# Altium PCB PCB.PcbDoc
Units mil, origin at the board's own origin, x right, y up, seen from the top; angles counter-clockwise.
Board outline 3937.01 x 2755.91 mil, 2 copper layers (Top Layer, Bottom Layer); 72 components, 42 nets, 272 pads, 25 vias.
Unrouted connection lines stored in the file: 5.
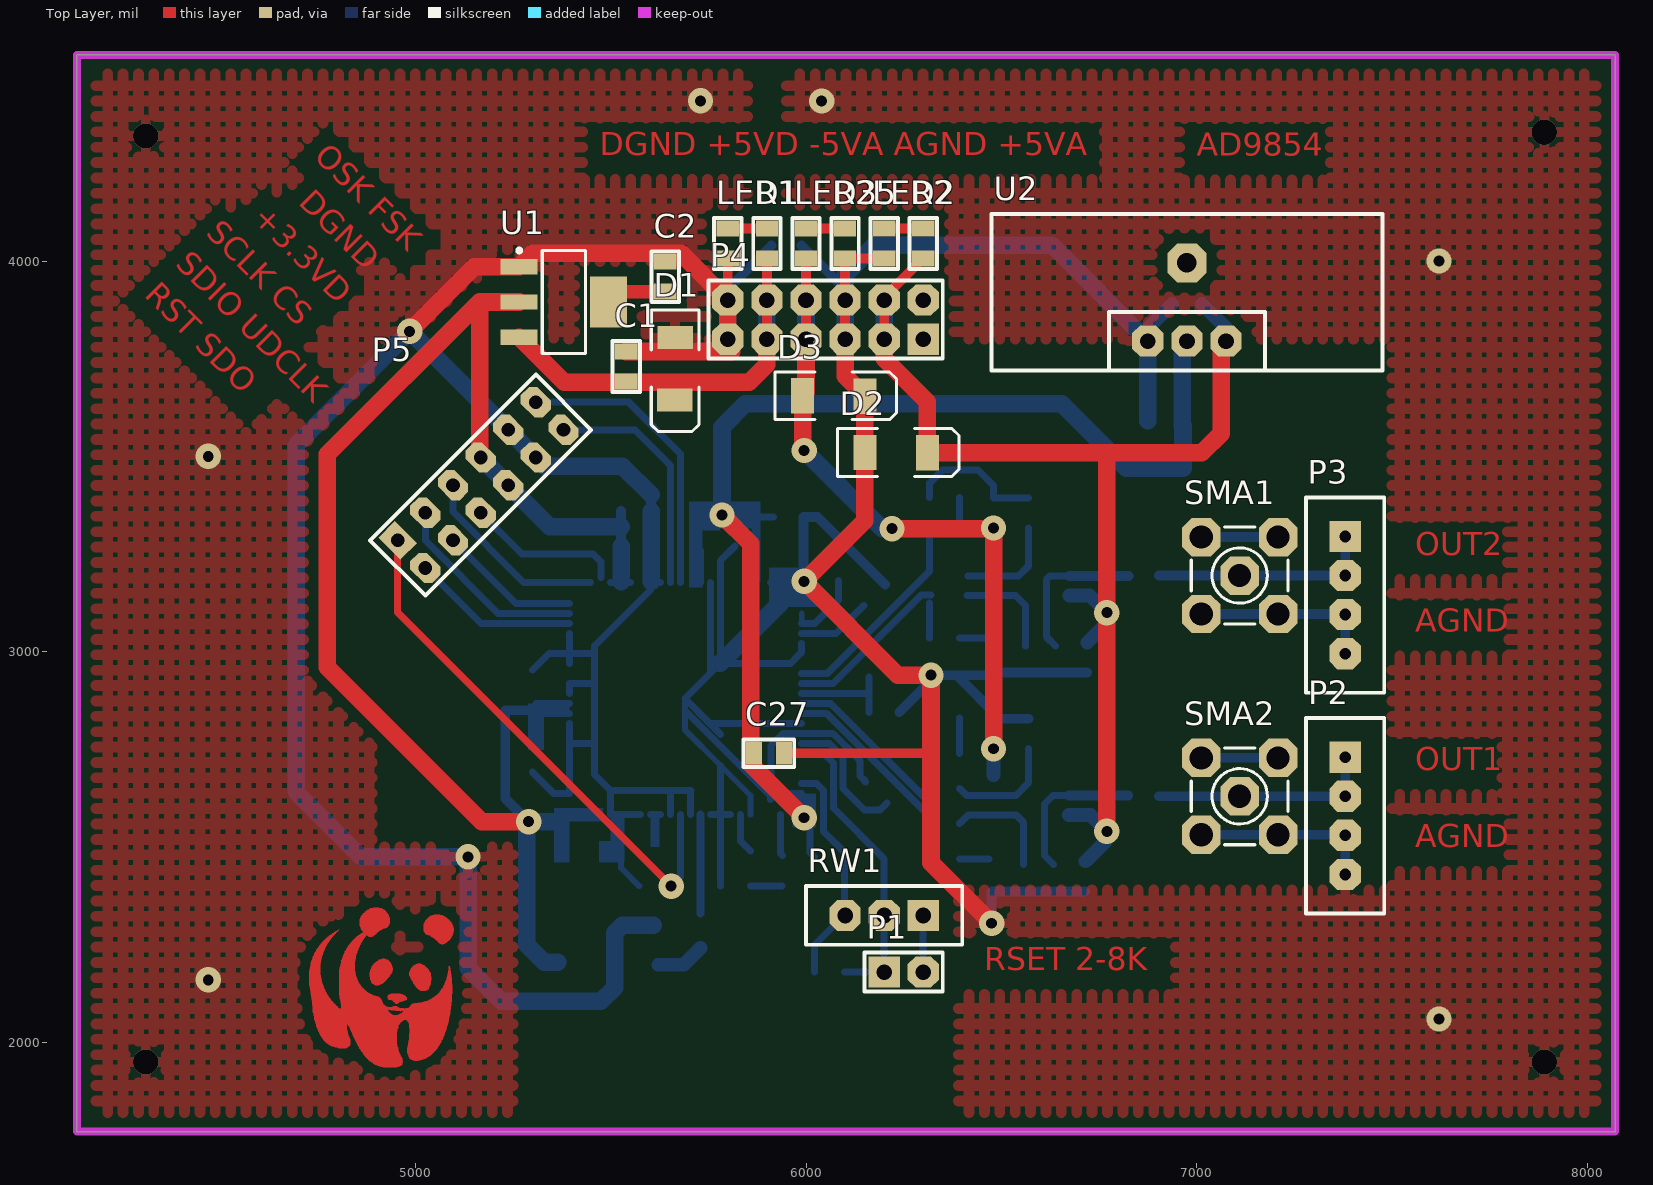
[diagram p0: Top Layer view]
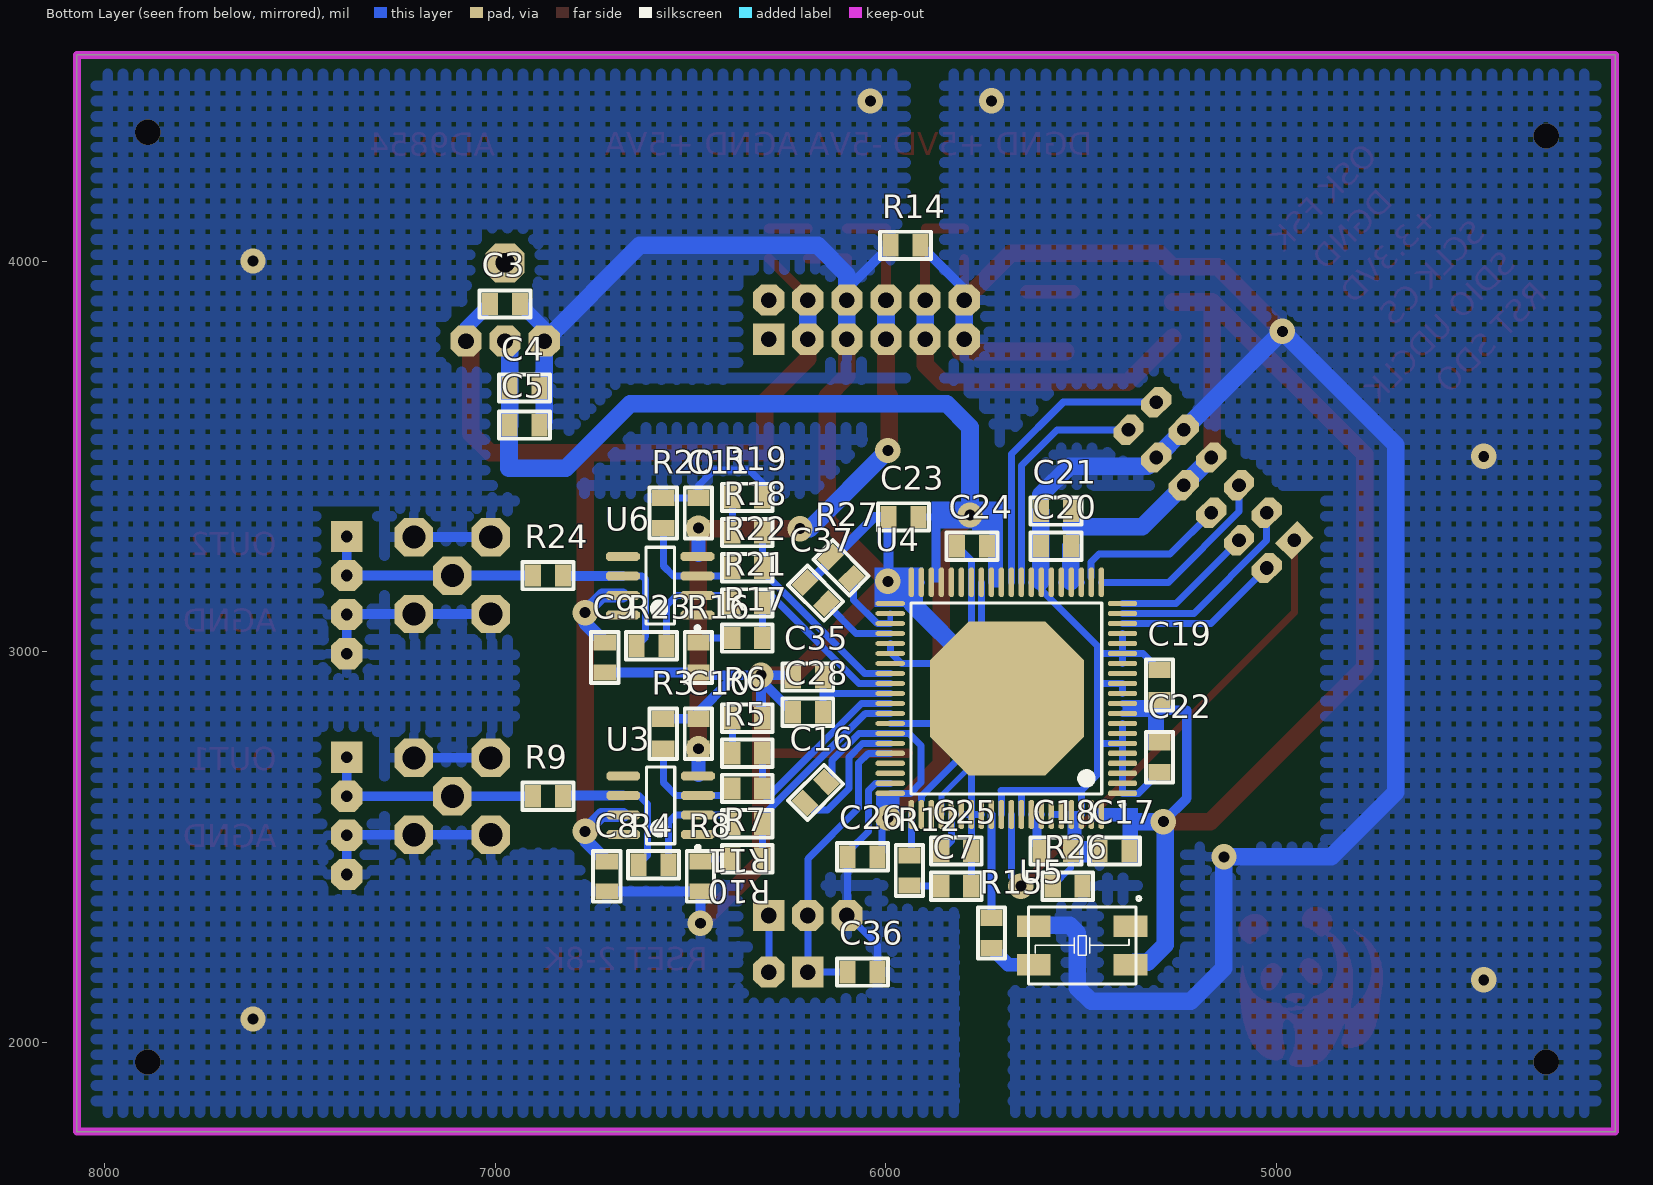
[diagram p1: Bottom Layer view, seen from below]

## Layer stack, top to bottom
Top Layer: signal copper 1.4
Dielectric: dielectric 12.6, FR-4, Dk 4.8
Bottom Layer: signal copper 1.4

## Board outline
4133.86,4527.56 8070.87,4527.56 8070.87,1771.65 4133.86,1771.65 4133.86,4527.56

## Design rules (kind name [scope] priority, off if disabled: settings)
Clearance [All] p1: gap=5
PolygonConnect [All] p1: connectstyle=Relief reliefconductorwidth=10 reliefentries=4 polygonreliefangle="90 Angle" airgapwidth=10
RoutingVias [All] p1: holewidth=28 width=50 viastyle="Through Hole" minholewidth=28 minwidth=50 maxholewidth=28 maxwidth=50
SilkscreenOverComponentPads [All] p1: minsilkscreentomaskgap=10
SolderMaskExpansion [All] p1: expansion=4
Width [All] p1: maxlimit=45 minlimit=15 preferedwidth=25 minimp=50.000000 maximp=50.000000 favimp=50.000000
27 further rules are at their usual default settings.

## Components (designator, comment, footprint, x,y, rotation, side; value= is the part's Value field where it differs from the comment)
C1 "C" 0805 5540,3730 r90 top
C2 "C" 0805 5640,3960 r270 top
C3 "C" 0805 6975,3890 r0 bottom
C4 "C" 0805 6925,3675 r0 bottom
C5 "C" 0805 6925,3580 r0 bottom
C7 "C" 0805 5820,2400 r180 bottom
C8 "C" 0805 6715,2425 r90 bottom
C9 "C" 0805 6720,2985 r90 bottom
C10 "C" 0805 6480,2790 r270 bottom
C11 "C" 0805 6480,3355 r270 bottom
C16 "0.01u" 0805 6180,2640 r315 bottom
C17 "0.1u" 0805 5415,2490 r180 bottom
C18 "0.1u" 0805 5565,2490 r0 bottom
C19 "0.1u" 0805 5300,2915 r270 bottom
C20 "0.1u" 0805 5565,3270 r180 bottom
C21 "0.1u" 0805 5565,3360 r180 bottom
C22 "0.1u" 0805 5300,2730 r90 bottom
C23 "0.1u" 0805 5955,3345 r180 bottom
C24 "0.1u" 0805 5780,3270 r180 bottom
C25 "0.1u" 0805 5820,2490 r0 bottom
C26 "0.1u" 0805 6060,2475 r180 bottom
C27 "0.1u" 0805 5905,2740 r180 top
C28 "0.1u" 0805 6200,2845 r180 bottom
C35 "C" 0805 6200,2935 r180 bottom
C36 "C" 0805 6060,2180 r180 bottom
C37 "C" 0805 6180,3150 r225 bottom
D1 "Diode 1N4007" 二极管SMB 5665,3725 r270 top
D2 "Diode 1N4007" 二极管SMB 6230,3510 r0 top
D3 "Diode 1N4007" 二极管SMB 6070,3655 r0 top
LED1 "LED" 0805 5800,4045 r270 top
LED2 "LED" 0805 6200,4045 r270 top
LED3 "LED" 0805 6000,4045 r270 top
P1 "Pin 2" "Pin 2" 6200,2180 r0 top
P2 "pin 4" "pin 4" 7380,2630 r0 top
P3 "pin 4" "pin 4" 7380,3195 r0 top
P4 "Pin 6X2" "Pin 6X2"#1 6300,3800 r180 top
P5 "Pin 6X2" "Pin 6X2"#2 4955,3285 r45 top
R1 "R" 0805 5900,4045 r270 top
R2 "R" 0805 6300,4045 r270 top
R3 "R" 0805 6570,2790 r270 bottom
R4 "R" 0805 6595,2455 r0 bottom
R5 "R" 0805 6355,2740 r180 bottom
R6 "R" 0805 6355,2830 r0 bottom
R7 "R" 0805 6355,2470 r180 bottom
R8 "R" 0805 6475,2425 r90 bottom
R9 "R" 0805 6865,2630 r0 bottom
R10 "R" 0805 6355,2560 r0 bottom
R11 "R" 0805 6355,2650 r0 bottom
R12 "1K3" 0805 5940,2440 r270 bottom
R14 "0" 0805 5950,4040 r0 bottom
R15 "R" 0805 5730,2280 r270 bottom
R16 "R" 0805 6480,2985 r90 bottom
R17 "R" 0805 6355,3035 r180 bottom
R18 "R" 0805 6355,3305 r180 bottom
R19 "R" 0805 6355,3395 r0 bottom
R20 "R" 0805 6570,3355 r270 bottom
R21 "R" 0805 6355,3125 r0 bottom
R22 "R" 0805 6355,3215 r0 bottom
R23 "R" 0805 6600,3015 r0 bottom
R24 "R" 0805 6865,3195 r0 bottom
R25 "R" 0805 6100,4045 r270 top
R26 "0" 0805 5535,2400 r180 bottom
R27 "R" 0805 6115,3215 r45 bottom
RW1 "R" 电位器 6300,2325 r180 top
SMA1 "COAX-M" SMB_V-RJ45 7110,3195 r180 top
SMA2 "COAX-M" SMB_V-RJ45 7110,2630 r180 top
U1 "AMS1117" AMS1117 5380,3895 r0 top
U2 "LM1117-3.3" LM78** 6875,3795 r0 top
U3 "OPA690" SOP-8 6577,2607 r0 bottom
U4 "AD9854" "LPQF 80 9854" 5691.81,2880.39 r0 bottom
U5 "有源晶振5032" 7050晶振 5495,2250 r0 bottom
U6 "OPA690" SOP-8 6578,3169 r0 bottom

## Footprints (in the part's own frame and the unit in brackets; to place one, negate y for a bottom-side part, rotate by r counter-clockwise, add the part's x,y. Pads: shape width x height; smd on the part's side, far side on the other; paste and mask are expansions set on the pad)
0805 [mm]
  rect 1.05x1.45 smd: 1(-0.975,0) 2(0.975,0)
  silkscreen extent -1.65,-0.89 1.65,0.89
7050晶振 [mm]
  rect 2.2x1.4 smd: 1(-3.074,-1.21) 2(3.226,-1.21) 3(3.226,1.29) 4(-3.074,1.29)
  silkscreen extent -3.73,-3.13 3.58,2.54, body extent -3.5,-2.5 3.5,2.5, height 1.31
AMS1117 [mm]
  rect 2.4x1 smd: 1(-2.9,2.3) 2(-2.9,0) 3(-2.9,-2.3)
  rect 2.4x3.3 smd: 2(2.9,0)
  silkscreen extent -3.02,-3.35 1.4,3.47, body extent -1.85,-3.35 1.85,3.35, height 1.7
LM78** [mil]
  oct 80x80 hole 40: 1(0,0) 2(100,0) 3(200,0)
  oct 100x100 hole 50: ""(100,200)
  silkscreen extent -400,-75 600,325
"LPQF 80 9854" [mm]
  oct 1.9x0.35 smd: 1(-7.55,6.175) 2(-7.55,5.525) 3(-7.55,4.875) 4(-7.55,4.225) 5(-7.55,3.575) 6(-7.55,2.925) 7(-7.55,2.275) 8(-7.55,1.625) 9(-7.55,0.975) 10(-7.55,0.325) 11(-7.55,-0.325) 12(-7.55,-0.975) 13(-7.55,-1.625) 14(-7.55,-2.275) 15(-7.55,-2.925) 16(-7.55,-3.575) 17(-7.55,-4.225) 18(-7.55,-4.875) 19(-7.55,-5.525) 20(-7.55,-6.175) 41(7.55,-6.175) 42(7.55,-5.525) 43(7.55,-4.875) 44(7.55,-4.225) 45(7.55,-3.575) 46(7.55,-2.925) 47(7.55,-2.275) 48(7.55,-1.625) 49(7.55,-0.975) 50(7.55,-0.325) 51(7.55,0.325) 52(7.55,0.975) 53(7.55,1.625) 54(7.55,2.275) 55(7.55,2.925) 56(7.55,3.575) 57(7.55,4.225) 58(7.55,4.875) 59(7.55,5.525) 60(7.55,6.175)
  oct 0.35x1.9 smd: 21(-6.175,-7.55) 22(-5.525,-7.55) 23(-4.875,-7.55) 24(-4.225,-7.55) 25(-3.575,-7.55) 26(-2.925,-7.55) 27(-2.275,-7.55) 28(-1.625,-7.55) 29(-0.975,-7.55) 30(-0.325,-7.55) 31(0.325,-7.55) 32(0.975,-7.55) 33(1.625,-7.55) 34(2.275,-7.55) 35(2.925,-7.55) 36(3.575,-7.55) 37(4.225,-7.55) 38(4.875,-7.55) 39(5.525,-7.55) 40(6.175,-7.55) 61(6.175,7.55) 62(5.525,7.55) 63(4.875,7.55) 64(4.225,7.55) 65(3.575,7.55) 66(2.925,7.55) 67(2.275,7.55) 68(1.625,7.55) 69(0.975,7.55) 70(0.325,7.55) 71(-0.325,7.55) 72(-0.975,7.55) 73(-1.625,7.55) 74(-2.275,7.55) 75(-2.925,7.55) 76(-3.575,7.55) 77(-4.225,7.55) 78(-4.875,7.55) 79(-5.525,7.55) 80(-6.175,7.55)
  silkscreen extent -7.67,-6.2 6.2,7.02, body extent -7,-7 7,7, height 1.05
"Pin 2" [mil]
  rect 80x80 hole 40: 1(0,0)
  oct 80x80 hole 40: 2(100,0)
  silkscreen extent -50,-50 150,50
"pin 4" [mil]
  rect 80x80 hole 30: 1(0,100)
  oct 80x80 hole 30: 2(0,0) 3(0,-100) 4(0,-200)
  silkscreen extent -100,-300 100,200
"Pin 6X2"#1 [mil]
  rect 80x80 hole 40: 1(0,0)
  oct 80x80 hole 40: 2(100,0) 3(200,0) 4(300,0) 5(400,0) 6(500,0) 7(500,-100) 8(400,-100) 9(300,-100) 10(200,-100) 11(100,-100) 12(0,-100)
  silkscreen extent -50,-150 550,50
"Pin 6X2"#2 [mil]
  rect 60x80 hole 35: 1(0,0)
  oct 60x80 hole 35: 2(100,0) 3(200,0) 4(300,0) 5(400,0) 6(500,0) 7(500,-100) 8(400,-100) 9(300,-100) 10(200,-100) 11(100,-100) 12(0,-100)
  silkscreen extent -50,-150 550,50
SMB_V-RJ45 [mm] "Connecto"
  oct 2.5x2.5 hole 1.5: 1(0,0) 2(-2.5,2.5) 2(-2.5,-2.5) 2(2.5,2.5) 2(2.5,-2.5)
  silkscreen extent -3.15,-3.15 3.15,3.15
SOP-8 [mm]
  oct 2.2x0.6 smd: 1(-2.425,1.905) 2(-2.425,0.635) 3(-2.425,-0.635) 4(-2.425,-1.905) 5(2.425,-1.905) 6(2.425,-0.635) 7(2.425,0.635) 8(2.425,1.905)
  silkscreen extent -2.55,-2.5 0.93,2.88, body extent -2,-2.5 2,2.5, height 1.75
二极管SMB [mm]
  rect 1.5x2.3 smd: 1(-2,0) 2(2.05,-0.025)
  silkscreen extent -3.8,-1.55 4.1,1.55
电位器 [mil]
  rect 80x80 hole 40: 1(0,0)
  oct 80x80 hole 40: 2(100,0) 3(200,0)
  silkscreen extent -100,-75 300,75

## Part data
C16 C17 C18 C19 C20 C21 C22 C23 C24 C25 C26 C27 C28: library part C_0805
D1 D2 D3: "1 Amp Gener"
R12 R14 R26: library part R_0805
SMA1 SMA2: "RF Coaxial PCB Connector, MMCX; Thru-Hole, Vertical Mount Plug,  50 Ohm Impedance"

## Free pads (board coordinates)
  oct 393.7x393.7 smd far side: 0(5690,2880)

## Via types
v1: diameter 65, hole 28, Top Layer to Bottom Layer, 21 vias
v2: diameter 65, hole 65, Top Layer to Bottom Layer, 4 vias

## Nets (pads, with @x,y where several pads share a name; then routed paths per layer and width w, separated by ;. In a path a pad name is that pad's centre, name@x,y a point inside that pad or via, vN(x,y) a via of type N, cw(c..) or ccw(c..) an arc to the next point about the centre after c; other vN are vias at no path point)
+3.3VA: C4.2 C5.2 C16.1 C23.2 C24.2 C25.2 C26.2 C27.2 C28.2 C35.2 C37.2 U2.2 U4.31 U4.32 U4.37 U4.38 U4.44 U4.50 U4.54 U4.60 U4.65 | length 4003.1
  Top Layer w45: v1(5785,3350) 5858.39,3276.61 5858.39,2711.61 v1(5995,2575)
  Bottom Layer w18: U4.32 C24.2@5730.2,3258.58 ; U4.65 5832.56,2515.83 C25.2 ; 5875,3345 C23.2 ; v1@5989.06,2580.94 v1(5995,2575) 6010,2560 6010,2486.61 C26.2 ; U4.60 5937.72,2637.28 5910,2665 5910,2760 5940.83,2790.83 U4.54 6069.17,2790.83 6137.86,2722.14 6137.86,2682.14 C16.1 ; U4.50 6161.61,2893.19 ; U4.44 6076.73,3046.73 C37.2@6147.86,3117.86 ; C28.2 C35.2
  Bottom Layer w45: v1(5785,3350) 5785,3575 5845,3635 6655,3635 6820,3470 6965,3470 6965,3578.39 C5.2 C4.2 6963.39,3783.39 U2.2
+3.3VD: C2.2 C17.2 C18.2 C19.2 C20.2 C21.2 C22.2 P5.4 P5.9 U1.2 U4.9 U4.10 U4.23 U4.24 U4.25 U4.73 U4.74 U4.79 U4.80 U5.4 | length 4255.2
  Top Layer w35: U1.2@5520.79,3921.61 C2.2
  Top Layer w45: P5.4 5165,3499.26 5165,3895 ; U1.2@5265.83,3895 5165,3895 ; v1@5295,2565 v1(5290,2565) 5170,2565 4775,2960 4775,3505 5165,3895
  Bottom Layer w18: C22.2@5308.39,2778 5308.39,2827.39 5323.01,2842.01 U4.9 ; C19.2@5308.79,2867.6 U4.10 ; U4.80 U4.79 ; U4.23 U4.24 U4.25 ; U4.74 U4.73
  Bottom Layer w25: v1(5290,2565) 5230,2625 5230,2850 5300,2850 ; C20.2 C21.2 5526.61,3320
  Bottom Layer w45: P5.4 5344.26,3320 5526.61,3320 ; U5.4@5364.78,2205 5330,2205 5285,2250 5285,2555 5295,2565 5370,2565 ; U4.24@5526.61,3178.78 C20.2
+5VA: C3.2 C8.2 C9.2 D2.2 P4.2 P4.11 R2.2 U2.3 U3.7 U6.7 | length 3209.5
  Top Layer w25: P4.2 P4.11 ; P4.11@6200,3906.61 R2.2
  Top Layer w45: P4.2 6200,3750 6310.71,3639.29 D2.2 7012.95,3509.02 7062.5,3558.56 7062.5,3782.5 U2.3 ; 6766.57,3509.02 6770,3505.59 v1(6770,3100) v1(6770,2540)
  Bottom Layer w25: v1@6770,2518.39 v1(6770,2540)
  Bottom Layer w35: U3.7 6728,2582 v1(6770,2540) ; U6.7 6726,3144 v1(6770,3100) 6770,3073.39 C9.2 ; C8.2 v1@6770,2518.39 ; C3.2 7075,3828.39 U2.3
  Bottom Layer w45: P4.2 P4.11
+5VD: C1.1 D1.2 P4.5 P4.8 R1.2 U1.3 | length 1072.4
  Top Layer w25: P4.5 P4.8 R1.2
  Top Layer w45: U1.3 5380.98,3689.29 5649.02,3689.29 5854.29,3689.29 5900,3735 P4.5
  Bottom Layer w45: P4.5 P4.8
-5VA: C10.2 C11.2 D3.1 LED3.2 P4.4 P4.9 U3.4 U6.4 | length 1848.5
  Top Layer w25: P4.4 LED3.2
  Top Layer w45: v1@5991.26,3518.74 D3.1 ; D3.1@6000,3663.74 P4.4 ; v1(6220,3315) v1@6478.39,3315 ; v1(6480,2751.61) v1(6480,3316.61)
  Bottom Layer w35: U3.4@6480,2683.53 v1(6480,2751.61) ; U6.4@6480,3246.53 v1(6480,3316.61)
  Bottom Layer w45: v1(5995,3515) 6195,3315 v1(6220,3315) ; P4.4 P4.9
A0/SDIO: P5.2 U4.19 | length 517.5
  Bottom Layer w18: P5.2 5025.71,3284.29 5212.09,3097.91 U4.19
A1/SDO: P5.12 U4.18 | length 427.7
  Bottom Layer w18: P5.12 5167.68,3072.32 U4.18
AGND: C3.1 C4.1 C5.1 C7.2 C8.1 C9.1 C10.1 C11.1 C23.1 C24.1 C25.1 C26.1 C27.1 C28.1 C35.1 C36.2 C37.1 D2.1 D3.2 LED2.2 P2.3 P2.4 P3.3 P3.4 P4.3 P4.10 pad.0 R3.1 R6.1 R8.1 R14.2 R16.1 R19.1 R20.1 R25.2 R27.2 RW1.3 SMA1.2 SMA2.2 U2.1 U4.33 U4.34 U4.39 U4.40 U4.41 U4.45 U4.46 U4.47 U4.53 U4.59 U4.62 U4.64 U4.66 U4.67 U4.68 | length 10669.2
  Top Layer w25: C27.1 6320,2740 ; P4.3 P4.10 R25.2 LED2.2
  Top Layer w45: P4.3 6100,3704.72 D3.2 6150.71,3335.71 v1(5995,3180) 6235,2940 v1(6320,2940) 6320,2740 6320,2460 v1(6475,2305)
  Bottom Layer w15: pad.0 5690,2850 5690,2800 5781.38,2708.62 5858.15,2631.85 U4.64
  Bottom Layer w18: pad.0@5690,2850 5909.33,2630.67 5909.33,2622.03 ; U4.68 U4.67 ; U4.33 pad.0@5755.79,2945.79 ; pad.0@5781.38,2708.62 U4.67 ; pad.0@5781.38,2788.62 pad.0@5753.58,2816.42 ; pad.0@5781.38,2971.38 U4.34 5781.38,3232.99 C24.1 ; C7.2 C25.1 U4.67@5781.61,2582.91 ; U4.66 U4.67 ; U4.39 U4.40@5935,3177.64 ; 5933.5,3123.5 U4.41 ; U4.59 6027.13,2662.87 6045,2645 6045,2540 6098.39,2486.61 C26.1 6098.39,2326.61 6021.61,2249.84 C36.2 ; U4.53 pad.0@5753.58,2816.42 ; U4.45 5989.06,2999.06 5959.96,2969.96 5779.96,2969.96 pad.0@5755.79,2945.79 ; R19.1 6316.61,3431.61 6350,3465 6440,3465 6480,3425 C11.1 R20.1 ; pad.0@5753.58,2816.42 pad.0 pad.0@5755.79,2945.79
  Bottom Layer w25: R14.2 P4.10@6100,3928.39 ; v1@5993.39,3181.61 C23.1 6029.29,3345 C37.1@6202.14,3172.14 ; v1(5995,3180) 6003.39,3188.39 v1@6003.39,3176.61 ; C28.1 v1@6320,2926.61 ; C35.1@6243.39,2940 v1(6320,2940) ; R6.1@6320,2833.39 v1@6320,2926.61 ; R16.1@6473.39,2940 6385,2940 ; v1(6475,2305) R8.1 C8.1 ; R16.1 C9.1 ; R3.1 6496.61,2828.39 6385,2940 ; U2.1 U2.1@6875,3828.39 ; SMA2.2@7011.57,2531.57 7208.43,2531.57 7378.43,2531.57 P2.3 P2.4 ; SMA2.2@7011.57,2728.43 SMA2.2@7208.43,2728.43 ; SMA1.2@7011.57,3096.57 7208.43,3096.57 7378.43,3096.57 P3.3 P3.4 ; SMA1.2@7011.57,3293.43 SMA1.2@7208.43,3293.43 ; v1@6320,2926.61 v1(6320,2940) ; v1(6320,2940) 6385,2940
  Bottom Layer w35: U2.1@6875,3828.39 C3.1
  Bottom Layer w45: pad.0@5779.96,2969.96 5781.38,2971.38 5933.5,3123.5 ; P4.3 P4.10 6100,3928.39 6100,3965 6175,4040 6630,4040 U2.1 C5.1@6875,3591.61
  other v1: 7620,2060 7620,4000 6040,4409.45
  other v2: 7890,1950 7890,4330
DGND: C1.2 C2.1 C17.1 C18.1 C19.1 C20.1 C21.1 C22.1 D1.1 LED1.2 P4.6 P4.7 P5.5 P5.8 R14.1 R26.1 R26.2 U1.1 U4.1 U4.2 U4.3 U4.4 U4.5 U4.6 U4.7 U4.8 U4.11 U4.12 U4.14 U4.15 U4.16 U4.17 U4.26 U4.27 U4.28 U4.70 U4.72 U4.75 U4.76 U4.77 U4.78 U5.2 | length 7389.7
  Top Layer w25: P4.7 LED1.2@5800,4005
  Top Layer w45: v1@4985.34,3820.34 5150.55,3985.55 U1.1 5300.28,4020 5680,4020 P4.7 P4.6 ; C1.2 P4.6@5810,3768.39
  Bottom Layer w15: C18.1 5526.61,2446.77 R26.1
  Bottom Layer w18: C22.1 5354.33,2637.28 U4.1 U4.2 U4.3 U4.4 U4.5 U4.6 ; C19.1 5342.17,2995.55 U4.15 ; U4.8 U4.7 U4.6 ; U4.11 U4.12 5455.12,2918.78 ; U4.14 U4.15 ; U4.17 U4.16 U4.15 ; 5453.66,2765.24 U4.6 ; 5458.35,2995.55 U4.15 ; 5499.88,2644.88 U4.78 U4.77 U4.76 U4.75 ; U4.28 U4.27 5602.24,3158.35 5458.9,3015 5458.9,2686.1 5500,2645 5705,2645 ; U4.72 5653.43,2641.57 ; U4.70 5704.61,2644.61
  Bottom Layer w25: P5.8 P5.8@5330.69,3475 ; C21.1 5603.39,3401.61 ; P4.7 5800,3928.39 R14.1
  Bottom Layer w45: P5.8 P5.5 v1(4985.69,3820) 4695,3529.31 4695,2640 4860,2475 v1(5135,2475) 5135,2190 5220,2105 5475,2105 5510,2140 5510,2280 5530,2300 U5.2@5609.39,2300 ; P5.8@5330.69,3475 5530,3475 5603.39,3401.61 ; U4.27@5603.39,3178.78 C20.1 C21.1 ; P4.6 P4.7
  other v1: 4470,2160 4470,3500 5730,4410
  other v2: 4310,1950 4310,4320
FSK/BPSK/HOLD: P5.7 U4.29 | length 610.9
  Bottom Layer w18: P5.7 5562.16,3567.84 5653.43,3476.57 U4.29
"I/O UDCLK": P5.11 U4.20 | length 365
  Bottom Layer w18: P5.11 5257.92,3123.5 U4.20
IOUT1: R7.2 R10.1 U4.52 | length 545.1
  Bottom Layer w18: U4.52 6052.99,2842.01 6316.61,2578.39 R10.1 R7.2
IOUT2: R5.2 R11.1 U4.51 | length 509.4
  Bottom Layer w18: U4.51 6062.4,2867.6 6300,2630 R11.1@6310,2630 ; R11.1 R5.2
IOUT3: R17.2 R21.1 U4.49 | length 514.6
  Bottom Layer w18: U4.49 6068.78,2918.78 6295,3145 R21.1@6320,3145 ; R17.2 R21.1
IOUT4: R18.2 R22.1 U4.48 | length 534.6
  Bottom Layer w18: U4.48 6054.37,2944.37 6316.61,3206.61 R22.1 R18.2
NetC7_1: C7.1 R12.2 | length 80
  Bottom Layer w18: C7.1 R12.2@5938.39,2400
NetC16_2: C16.2 U4.55 | length 342.9
  Bottom Layer w18: U4.55 5989.29,2765 6060,2765 6095,2730 6095,2650 6150,2595 6189.29,2595 C16.2
NetC36_1: C36.1 P1.1 RW1.2 U4.56 | length 781.6
  Bottom Layer w18: U4.56 6045.35,2739.65 6070,2715 6070,2600 6200,2470 RW1.2 P1.1 C36.1
NetLED1_1: LED1.1 R1.1 | length 98.4
  Top Layer w25: LED1.1 R1.1@5898.39,4083.39
NetLED2_1: LED2.1 R2.1 | length 100
  Top Layer w25: LED2.1 R2.1
NetLED3_1: LED3.1 R25.1 | length 100
  Top Layer w25: LED3.1 R25.1
NetP1_2: P1.2 RW1.1 | length 145
  Bottom Layer w18: P1.2 RW1.1
NetR3_2: R3.2 R11.2 U3.3 | length 284.4
  Bottom Layer w18: R11.2 6411.39,2632 U3.3 6537,2632 6570,2665 R3.2
NetR4_1: R4.1 R10.2 U3.2 | length 288.4
  Bottom Layer w18: R10.2 6415.39,2582 U3.2 6538,2582 6556.61,2563.39 R4.1
NetR4_2: R4.2 R9.1 U3.6 | length 388.4
  Bottom Layer w18: R4.2 6610,2478.39 6610,2610 6632,2632 U3.6
  Bottom Layer w25: U3.6 R9.1@6824.61,2632
NetR5_1: R5.1 R6.2 | length 90
  Bottom Layer w18: R5.1 R6.2
NetR7_1: R7.1 R8.2 | length 75
  Bottom Layer w18: R7.1 R8.2@6468.39,2470
NetR12_1: R12.1 U4.61 | length 106.9
  Bottom Layer w18: U4.61 5934.92,2483.46 R12.1
NetR15_1: R15.1 U4.69 | length 253
  Bottom Layer w20: R15.1@5730.2,2330.2 U4.69
NetR15_2: R15.2 U5.3 | length 125.5
  Bottom Layer w35: U5.3 5687.6,2199.21 R15.2
NetR16_2: R16.2 R17.1 | length 75
  Bottom Layer w18: R17.1 R16.2@6468.39,3035
NetR18_1: R18.1 R19.2 | length 90
  Bottom Layer w18: R18.1 R19.2
NetR20_2: R20.2 R22.2 U6.3 | length 263
  Bottom Layer w18: 6414.39,3194 U6.3 6544,3194 6570,3220 R20.2
NetR21_2: R21.2 R23.1 U6.2 | length 263.2
  Bottom Layer w18: R21.2@6412.39,3144 U6.2 6536,3144 6561.61,3118.39 R23.1
NetR23_2: R23.2 R24.1 U6.6 | length 394
  Bottom Layer w18: R23.2 6615,3038.39 6615,3185 6624,3194 U6.6
  Bottom Layer w25: U6.6 R24.1@6825.61,3194
NetR27_1: R27.1 U4.42 U4.43 | length 194.5
  Bottom Layer w15: U4.43 U4.42
  Bottom Layer w18: U4.43 6022.32,3072.32 6082.86,3132.86 R27.1@6082.86,3182.86
OSK: P5.6 U4.30 | length 753.7
  Bottom Layer w18: P5.6 5546.45,3638.55 5679.02,3505.98 U4.30
R\D\/C\S\: P5.10 U4.22 | length 399.9
  Bottom Layer w18: P5.10 5272.84,3250 5455,3250 5475,3230 U4.22@5475,3190
RESET: P5.1 U4.71 | length 1368
  Top Layer w18: P5.1 4955,3100 v1(5655,2400)
  Bottom Layer w18: v1(5655,2400) 5679.02,2424.02 U4.71
VOUT1: P2.1 P2.2 R9.2 SMA2.1 | length 576.6
  Bottom Layer w25: R9.2 SMA2.1 P2.2 P2.1
VOUT2: P3.1 P3.2 R24.2 SMA1.1 | length 576.6
  Bottom Layer w25: R24.2 SMA1.1 P3.2 P3.1
W\R\/SCLK: P5.3 U4.21 | length 495.1
  Bottom Layer w18: P5.3 5096.42,3358.58 5277.36,3177.64 U4.21
pads on no net: P4.1 P4.12 U2. U3.1 U3.5 U3.8 U4.13 U4.35 U4.36 U4.57 U4.58 U4.63 U5.1 U6.1 U6.5 U6.8
copper on no net: | length 69221